# KiCad board DFTBoard.kicad_pcb (continued)
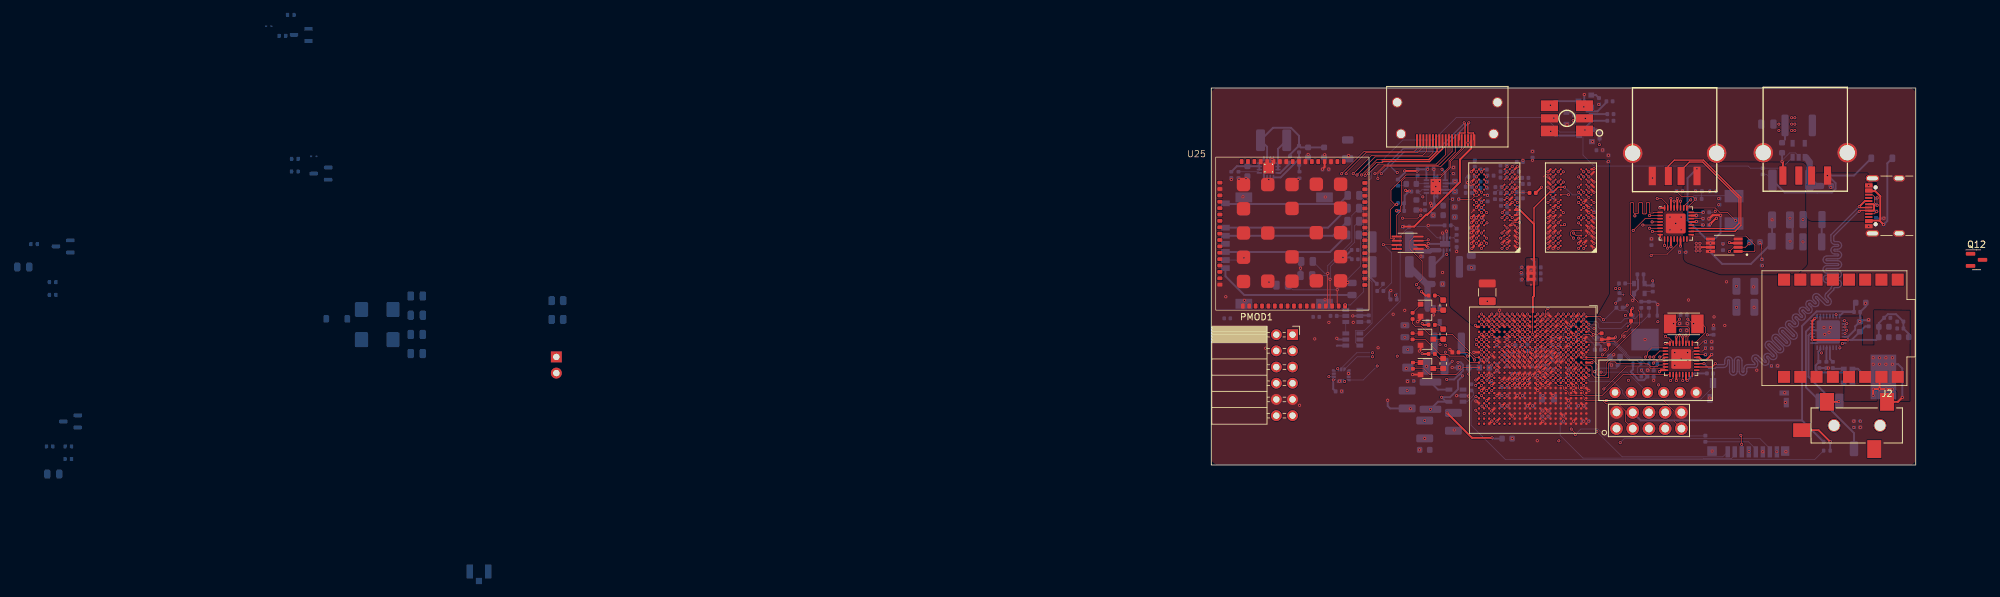
[diagram p0: board, top side]
## Routing (per net, layer and track width the routed paths; a pad name or vN(x,y) marks a point on that pad's centre or on a via; arc(x,y) is an arc through that point) (continued)
Net-(U13-FB): length 6.3
  BOTTOM w0.3: R27.1 13.73,47.97 10.86,45.1 U13.5
Net-(U13-PG): length 2.6
  BOTTOM w0.3: R22.1 12.33,47.34 10.8,45.81 U13.4
Net-(U13-SS/TR): length 3.3
  BOTTOM w0.102: C88.2 7.34,45.98 U13.9
Net-(U18-OE): length 1.4
  BOTTOM w0.102: U18.1 68.12,27.19 R98.1
Net-(U20F-PS_CLK_500): length 15.8
  TOP_GND w0.102: U20.F7 v1(55.11,18.07)
  SIGNAL1 w0.102: v1(63.31,27.67) 63.31,27.07 58.71,22.47 58.11,22.47 57.92,22.28 57.92,21.1 57.69,20.88 57.33,20.88 57.12,20.66 57.12,20.29 56.91,20.07 55.72,20.07 55.52,19.87 55.52,19.68 55.5,19.67 55.5,18.47 v1(55.11,18.07)
  BOTTOM w0.102: v1(63.31,27.67) 63.82,28.19 R100.1
Net-(U20G-PS_MIO16_501): length 39.8
  TOP_GND w0.102: v1(56.35,5.64) 56.97,5.02 v1(56.97,4.75) ; 56.35,19.27 v1(56.69,18.93)
  SIGNAL4 w0.102: v1(56.35,5.64) 55.81,5.64 53.92,7.53 53.92,18.29 54.11,18.48 56.22,18.48 56.67,18.93 v1(56.69,18.93)
  BOTTOM w0.102: 77.3,4.56 61.61,4.56 60.52,5.64 57.86,5.64 v1(56.97,4.75)
Net-(U20G-PS_SRST_B_501): length 6.7
  TOP_GND w0.102: v1(57.51,17.27) U20.C9 ; v1(61.21,17.27) 61.38,17.27 62.21,18.11 R33.1
  BOTTOM w0.102: v1(57.51,17.27) 57.91,16.88 60.81,16.88 v1(61.21,17.27)
Net-(U20H-PS_DDR_VRN_502): length 1.2
  TOP_GND w0.102: U20.M7 v1(50.31,18.07)
  BOTTOM w0.102: v1(50.31,18.07) 49.69,18.07
Net-(U20H-PS_DDR_VRP_502): length 13.6
  TOP_GND w0.102: 38.69,17.67 40.09,17.67 40.97,16.8 40.97,16.71 v1(41.21,16.47) ; U20.N7 49.51,18.07 v1(49.51,17.24)
  SIGNAL1 w0.102: v1(49.51,17.24) 49.15,16.88 42.92,16.88 42.7,16.66 42.7,16.29 42.5,16.08 41.6,16.08 v1(41.21,16.47)
Net-(U21-EN): length 11.1
  TOP_GND w0.102: v1(26.93,34.55) 26.96,34.52 29.03,34.52 29.03,33.87
  BOTTOM w0.102: v1(26.93,34.55) 28.2,33.28 28.2,28.55 R34.1
Net-(USB_C_ESP1-CC1): length 1.4
  TOP_GND w0.102: v1(104.18,39.73) 103.83,39.39 USB_C_ESP1.A5
Net-(USB_C_ESP1-CC2): length 2
  TOP_GND w0.102: v1(104.25,40.73) 103.86,41.12 103.86,42.04 103.5,42.39

## Copper pours and planes (outline as drawn; the poured copper is in the pictures)
+1V0 on SIGNAL4: 29.61,10.67 33.31,6.47 37.21,7.88 40.92,14.44 44.4,12.22 44.37,11.56 44.4,11.33 44.35,10.48 46.91,10.35 53.61,12.07 53.91,12.38 54.08,13.42 53.57,19.03 51.11,20.14 46.05,20.29 45.42,19.47 45.42,17.4 45.24,14.38 41.99,16.02 35.04,18.61 33.98,16.64 29.21,18.05
+1V8 on BOTTOM: 35.31,23.38 41.01,23.38 41.01,14.88 35.31,14.88
+1V8 on SIGNAL1: 95.39,59.32 95.5,9.73 3.11,9.77 3.13,17.77 31.41,17.67 31.41,29.88 3.15,29.88 3.08,59.33
+1V8 on SIGNAL2: -5.24,59.66 111.76,59.66 111.81,0.2 -5.19,0.2
+1V35 on TOP_GND: 37.31,47.87 62.31,47.87 62.31,26.88 58.31,19.88 43.31,19.88 37.31,24.88
+1V35 on BOTTOM: 37.21,36.77 60.81,36.87 60.81,28.88 56.24,21.88 55.21,19.81 55.25,15.29 46.18,15.34 46.15,19.81 45.31,19.88 37.21,24.77
+3V3 on BOTTOM: 91.86,55.45 91.86,49.45 88.36,49.45 88.36,55.45
+3V3 on SIGNAL4: -13.89,59.35 111.74,59.27 111.94,0.02 -13.69,0.1
+3V8 on BOTTOM: -3.84,63.2 25.18,63.37 25,20.97 -3.5,22.55
+5V on TOP_GND: 77.11,35.07 77.11,32.17 75.61,32.17 75.61,35.07
+5V on TOP_GND: 93.12,45.76 104.12,45.76 104.12,38.26 93.12,38.26
+5V on BOTTOM: -12.49,0.06 113.07,-0.43 113.3,59.22 -12.26,59.71
/Power/1V8TOLX on BOTTOM: 33.41,22.92 35.31,22.92 35.31,17.82 33.41,17.82
/Power/3V3TOLX on BOTTOM: 95.36,55.45 95.36,49.45 91.96,49.45 91.96,55.45
/Power/VCCAUX on SIGNAL2: 60.21,14.47 54.51,14.47 52.91,15.97 50.71,15.97 50.71,16.97 60.21,16.97
/Power/VCCAUX on SIGNAL4: 46.71,16.88 50.99,16.88 51.21,16.77 51.71,16.27 51.51,16.07 51.51,15.38 51.31,15.17 47.21,15.17 46.71,15.67
GND on TOP_GND: 111.64,-0.16 -13.69,0.1 -13.82,59.4 111.51,59.14
GND on GND0: 111.93,59.38 111.71,-0.01 -13.69,0.1 -13.47,59.49
GND on GND1: 111.83,59.29 111.61,-0.02 -5.38,-0.02 -5.17,59.29
GND on GND2: 111.87,59.7 111.8,0.27 -13.69,0.1 -13.62,59.53
GNDA on TOP_GND, BOTTOM: 109.37,24.22 109.33,9.99 99.07,10.05 99.14,14.55 94.32,14.63 94.47,23.31 101.92,23.32 101.87,18.77 103.79,18.78 103.76,24.29
GNDA on SIGNAL1: -13.47,59.38 111.89,59.17 111.67,-0.11 -13.69,0.1
/DDR3/VREF on TOP_GND: 49.27,32.44 51.16,32.46 51.19,28.14 49.3,28.14
/DDR3/VREF on BOTTOM: 49.12,31.62 51.01,31.64 51.04,27.96 49.15,27.96
DDR3_VTT on BOTTOM: 29.1,49.37 29.1,37.37 52.1,37.37 52.1,49.37
USBH_VBUS on TOP_GND: 73.9,47.5 93.28,47.45 93.31,31.38 91.71,29.88 79.71,29.88 73.93,31.92

## Text on the board
User.Comments: ER-TFT028-4 | A UPPER | A LOWER | D LOWER | D UPPER
